# KiCad board nkc70_22.kicad_pcb (continued)
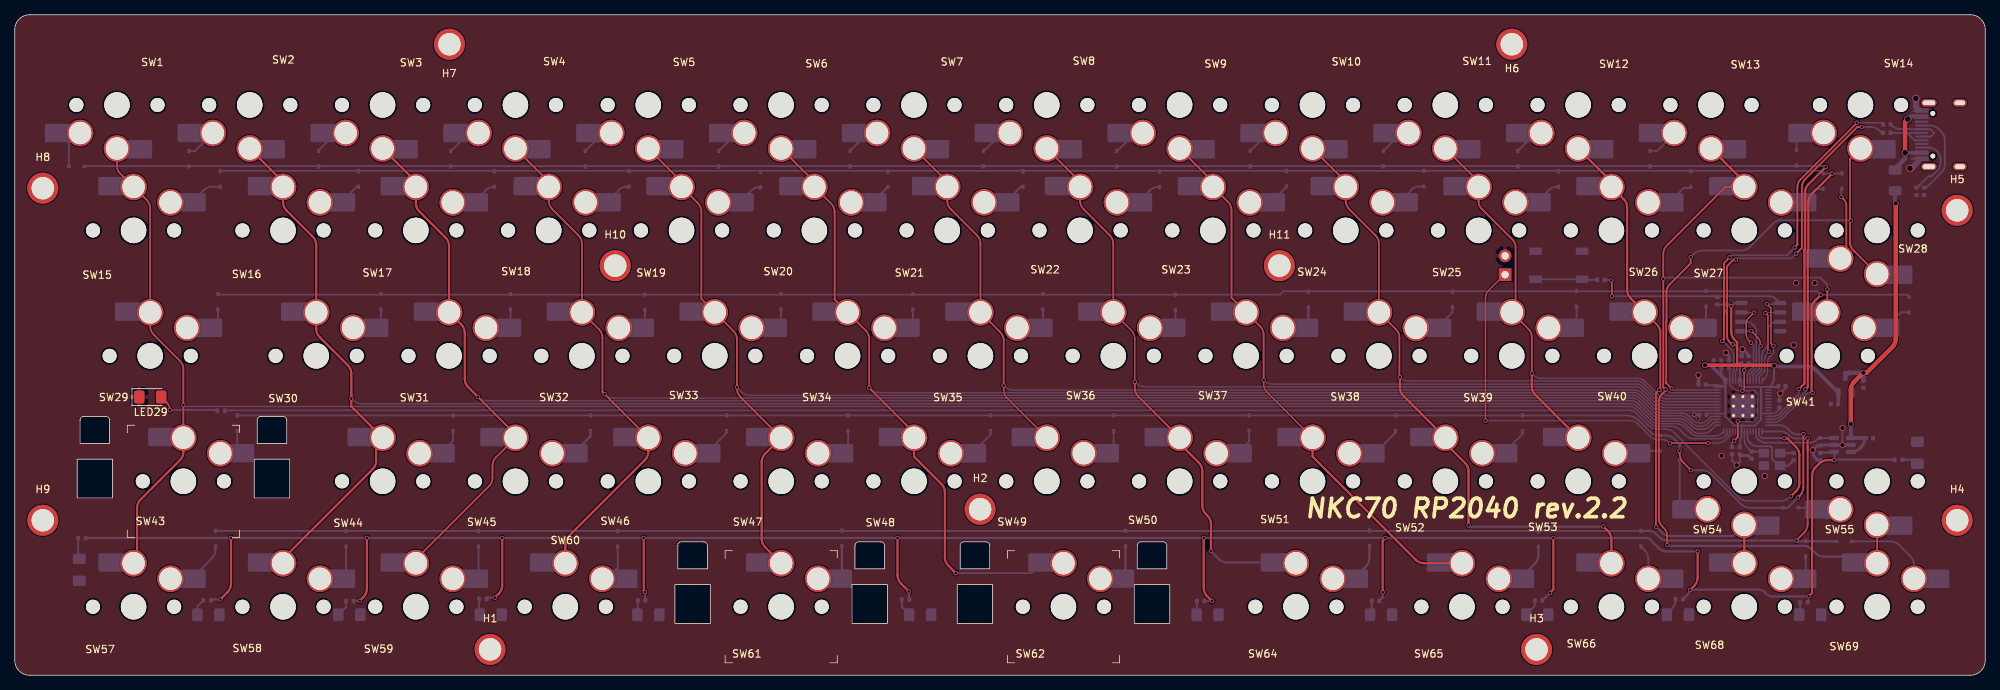
[diagram p0: board, top side]
## Nets (continued)
Net-(LED63-A): LED63.2 R63.2
Net-(LED64-A): LED64.2 R64.2
Net-(LED66-A): LED66.2 R66.2
Net-(LED67-A): LED67.2 R67.2
Net-(LED68-A): LED68.2 R68.2
Net-(LED69-A): LED69.2 R69.2

Pads without a net: H1 1; H2 1; H3 1; H4 1; H5 1; H6 1; H7 1; H8 1; H9 1; H10 1; H11 1; J2 A8 B8 S1; U1 2 3 4 5 6 7 8 9 19 24 25

## Via types
v1: diameter 1, hole 0.8, Top to Bottom, 4 vias
v2: diameter 0.8, hole 0.6, Top to Bottom, 18 vias
v3: diameter 0.6, hole 0.4, Top to Bottom, 87 vias
v4: diameter 0.5, hole 0.4, Top to Bottom, 1 via

## Routing (per net, layer and track width the routed paths; a pad name or vN(x,y) marks a point on that pad's centre or on a via; arc(x,y) is an arc through that point)
+1V1: length 23.2
  Top w0.2: v3(234.34,41.31) 234.34,38.8 v3(234.09,38.55)
  Top w0.25: v3(233.47,34.4) 233.47,32.26 v3(232.98,31.77)
  Bottom w0.2: C1.1 232.37,41.59 U1.45 232.37,39.32 232.61,39.08 arc(233.2,38.69) 233.89,38.55 ; 234.94,42.19 234.94,42.09 ; 235.61,34.36 236.16,34.91 236.16,38.12 235.73,38.55 v3(234.09,38.55) ; 233.51,34.36 235.56,34.36 ; 232.67,30.94 C3.1 ; U1.23 233.57,32.36 v3(232.98,31.77)
  Bottom w0.25: v3(233.47,34.4) 233.51,34.36 ; 234.94,42.09 234.34,41.49 ; 234.37,41.49 234.37,39.94
  Bottom w0.3: 232.67,30.94 232.67,31.46 v3(232.98,31.77)
+3V3: length 77
  Top w0.3: 233.42,42.01 233.39,42.04 233.39,45.12 233.05,45.46 arc(232.7,45.98) 232.58,46.59 232.58,50.01 v3(232.6,50.02)
  Top w0.5: 238.26,42.01 v2(229.03,42.01)
  Bottom w0.2: C8.1 229.41,35.47 U1.33 231.75,35.47 231.8,35.52 ; C10.1 239.13,36.07 239,35.94 arc(238.48,35.59) 237.87,35.47 U1.10 236.69,35.47 ; 233.88,39.17 233.57,39.48 U1.48 U1.49 233.97,39.25 233.88,39.17 ; 233.88,39.17 233.95,39.1 234.59,39.1
  Bottom w0.25: 233.96,50.43 U2.8 ; 231.8,35.52 231.8,35.07 233.05,33.83 233.95,33.83 ; 237.6,39.08 234.66,39.08 ; 233.95,33.83 233.97,33.81 U1.22 233.97,32.23 233.8,32.06 233.8,30.94 C9.1 ; 233.95,33.83 235.78,33.83 236.62,34.67 236.62,35.4 236.69,35.47 ; R1.1 231.7,50.23 C12.1 ; C6.1 229.23,39.29 ; C7.1 233.76,42.1 233.76,40 233.77,39.99 ; 231.23,40.68 231.19,40.64
  Bottom w0.3: 229.23,39.29 230.78,39.29 230.91,39.16 ; U1.1 238.72,39.07 238.96,39.31 ; C2.1 231.23,40.68 ; v2(238.38,41.95) 238.38,40.31 arc(238.25,39.7) 237.91,39.18 237.8,39.07 ; 231.8,35.52 231.8,39.68 U1.43 ; C12.1 232.37,50.25 v3(232.6,50.02) 233,50.43 233.96,50.43 ; 236.62,35.4 236.62,39.01
  Bottom w0.4: 231.77,39.16 230.39,39.16
  Bottom w0.5: v2(238.38,41.95) 238.5,41.83 242.9,41.83 arc(243.51,41.71) 244.03,41.36 U3.2 247.1,36.82 C16.1 ; v2(229.03,42.01) 229.81,42.01 231.8,40.02
/+5V: length 44.9
  Top w0.6: v2(254.87,63.95) 254.87,45.59 arc(254.75,44.98) 254.4,44.46 250.94,41 v2(250.48,41) 249.26,39.78 arc(248.91,39.26) 248.79,38.64 v2(248.79,34.05)
  Bottom w0.4: U4.6 248.85,30.25 arc(249.46,30.38) 249.98,30.72 250.2,30.95 arc(250.55,31.46) 250.67,32.08 250.67,32.13
  Bottom w0.5: v2(248.79,34.05) U4.4 250.65,32.15 250.67,32.13
  Bottom w0.6: U3.3 248.48,41 v2(250.48,41) 250.48,39.94 C15.1 ; 254.35,65.68 254.77,65.26 254.77,64.05 v2(254.87,63.95)
/VBUS: length 12.1
  Top w0.6: v1(256.51,75.36) 256.13,74.98 256.13,70.81 v1(256.14,70.79)
  Bottom w0.5: v1(256.14,70.79) J2.A9 ; 254.55,68.68 254.35,68.48
  Bottom w0.6: v1(256.14,70.79) 256.14,70.01 254.81,68.68 254.55,68.68 ; v1(256.51,75.36) 256.87,75.72 258.22,75.72
GND: length 31
  Bottom w0.25: 232.69,29.7 232.69,29.09 v2(233.32,28.46) 233.75,28.89 C9.2 ; 239.23,30.1 Y1.4 ; 232.28,42.66 C1.2 ; v2(239.24,38.19) 239.13,38.08 ; 234,43.29 C7.2 ; 257.04,70 257.05,69.99 J2.A12 ; v2(247.65,31.18) 247.65,33.49 v2(247.66,33.5) ; 239.63,29.87 239.22,29.87 ; 257.26,76.45 258.36,76.45 J2.A1 ; v3(227.59,35.32) 228.24,35.32 C8.2 228.27,34.99 v4(228.06,34.78)
  Bottom w0.3: 239.13,38.08 C10.2 ; 244.62,31.13 244.69,31.2 ; v2(239.24,38.19) 239.93,38.88 239.93,39.13 ; C13.2 239.23,30.1
  Bottom w0.4: 234.3,44.19 235.01,43.22 ; v2(231.86,43.71) 232.28,43.29 232.28,42.66 ; C14.2 235.3,29.35 234.88,29.77 233.91,29.77 C9.2 ; 244.69,31.2 U4.5 ; C18.2 244.26,29.15 244.09,29.32 arc(243.74,29.84) 243.62,30.45 v2(243.62,30.5) 244.23,31.11 R9.1
  Bottom w0.5: v2(228.15,40.68) C6.2
  Bottom w0.6: 234,43.29 234,44.08 v2(234.09,44.17)
  Bottom w0.8: v1(256.8,68.68) 256.99,68.68 257.97,69.66 ; v1(257.6,78.17) 257.6,77 258,76.6
  vias: v2(231.27,29.75) v2(237.12,27) v2(241.06,44.73) v2(241.38,53.17) v2(243.9,53.14)
/BGLED: length 350.7
  Top w0.3: v3(119.61,18.6) 119.61,13.56 arc(119.73,12.95) 120.08,12.43 v3(121.16,11.35) ; 65.03,10.5 v3(65.05,10.53) 65.58,11.05 arc(65.93,11.57) 66.05,12.18 v3(66.05,18.6) ; v3(29.3,18.6) 29.3,12.4 arc(29.18,11.79) 28.83,11.27 v3(27.83,10.27) 27.72,10.16 ; v3(46.74,10.09) 47.24,10.59 arc(47.59,11.11) 47.71,11.72 v3(47.71,18.6) ; v3(208.48,18.6) 208.48,11.63 v3(208.02,11.17) ; v3(185.73,18.6) 185.35,18.22 v3(185.35,11.24) ; v3(227.01,11.55) 227.56,12.1 arc(227.91,12.62) 228.03,13.23 v3(228.03,16.78) 227.96,16.85 ; v3(85.21,18.6) 85.23,18.58 85.23,11.44 v3(85.4,11.27) ; v3(162.21,10.07) 161.57,10.71 arc(161.22,11.23) 161.1,11.85 v3(161.1,18.6) ; v3(246.55,29.15) 245.64,29.15 arc(245.03,29.03) 244.51,28.68 244.01,28.18 arc(243.66,27.66) 243.54,27.05 243.54,11.17 v3(243.06,10.69)
  Bottom w0.25: 244.72,30.18 C18.1 ; 246.44,30.18 U4.1
  Bottom w0.3: v3(246.55,29.15) 246.63,29.23 254.7,29.23 R69.1 ; v3(246.55,29.15) 246.58,29.18 246.58,30.19 U4.1 ; v3(246.55,29.15) 246.58,29.12 ; v3(65.05,10.53) 64.11,10.53 R59.2 ; R64.1 185.35,10.54 v3(185.35,11.24) ; R60.2 85.4,10.19 v3(85.4,11.27) ; R66.1 208.02,11.16 v3(208.02,11.17) ; R58.2 45.94,10.09 v3(46.74,10.09) ; R57.2 26.71,10.27 v3(27.83,10.27) ; R67.1 227.01,11.27 v3(227.01,11.55) ; 9.67,18.6 v3(29.3,18.6) v3(47.71,18.6) v3(66.05,18.6) v3(85.21,18.6) v3(119.61,18.6) v3(161.1,18.6) v3(185.73,18.6) v3(208.48,18.6) 221.33,18.6 ; v3(121.16,11.35) 121.16,10.31 R61.2 ; v3(227.01,11.55) 227.13,11.43 ; v3(227.01,11.55) 227.06,11.6 236.25,11.6 arc(236.71,11.51) 237.1,11.25 237.32,11.03 arc(237.71,10.77) 238.17,10.68 243.05,10.68 v3(243.06,10.69) 243.06,10.02 R68.1 ; 221.37,18.6 222.81,17.16 arc(223.3,16.88) 223.85,16.78 v3(228.03,16.78) ; 246.44,30.18 244.72,30.18 ; v3(162.21,10.07) 161.22,10.07
/BGLED_C: length 11.8
  Bottom w0.2: U1.17 235.97,32.22 235.99,32.2
  Bottom w0.25: U4.3 244.44,32.15 244.27,31.98 arc(243.75,31.63) 243.14,31.51 237.2,31.51 arc(236.74,31.6) 236.35,31.86 235.99,32.22
/BSEL: length 8.4
  Bottom w0.25: R2.2 212.46,53.57 SW200.2 SW200.2
/C01: length 275.2
  Top w0.2: 16.58,15.66 SW57.1
  Top w0.25: 13.02,70.55 SW1.1 13.85,69.01 arc(13.96,68.47) 14.26,68.02 SW15.1 17.88,64.4 arc(18.23,63.88) 18.35,63.26 SW29.1 18.35,47.29 arc(18.47,46.68) 18.82,46.16 22.38,42.6 arc(22.73,42.08) 22.85,41.47 22.85,32.18
  Top w0.3: 16.58,15.66 16.58,22.69 arc(16.7,23.3) 17.05,23.82 22.38,29.15 arc(22.73,29.67) 22.85,30.28 22.85,32.18
  Bottom w0.2: v3(22.85,36.59) 23.02,36.42 218.86,36.42 ; 229.42,32.06 227.48,32.06 arc(226.87,32.18) 226.35,32.53 225.62,33.26 arc(225.1,33.61) 224.49,33.73 222.6,33.73 arc(222.07,33.84) 221.62,34.14 219.75,36.01 arc(219.29,36.31) 218.76,36.42 ; U1.27 231.97,32.55 231.94,32.53 arc(231.42,32.18) 230.81,32.06 229.27,32.06 ; 22.85,32.18 22.85,32.26
/C02: length 259.5
  Top w0.2: v3(45.61,37.49) 45.61,38.09
  Top w0.3: v3(45.61,37.49) 45.6,37.49 45.6,40.99 arc(45.46,41.54) 45.13,42 41.32,45.82 arc(40.97,46.34) 40.85,46.95 40.85,58.29 arc(40.73,58.9) 40.38,59.42 36.82,62.98 arc(36.47,63.5) 36.35,64.11 SW16.1 36.35,66.87 SW2.1 ; SW58.1 36.35,15.79 48.5,27.94 arc(48.85,28.46) 48.97,29.07 48.97,31.3 49.85,32.18 45.61,36.42 45.61,38.09
  Bottom w0.2: U1.28 231.42,32.88 arc(230.9,32.53) 230.28,32.41 228.18,32.41 arc(227.57,32.53) 227.05,32.88 226.31,33.61 arc(225.79,33.96) 225.18,34.08 222.75,34.08 arc(222.21,34.19) 221.76,34.49 219.87,36.38 arc(219.42,36.68) 218.88,36.79 47.01,36.79 arc(46.4,36.91) 45.88,37.26 45.65,37.49 v3(45.61,37.49)
  Bottom w0.25: 32.05,65.95 32.18,65.82
  Bottom w0.3: SW58.1 37.29,16.12
/C03: length 240.7
  Top w0.25: v3(62.77,37.72) 67.85,32.64 SW45.1 65.2,29.53 arc(64.85,29.01) 64.73,28.39 64.73,26.75 arc(64.61,26.14) 64.26,25.62 54.35,15.71 SW59.1
  Top w0.3: SW3.1 54.35,66.87 SW17.1 54.35,63.98 arc(54.47,63.37) 54.82,62.85 58.38,59.29 arc(58.73,58.77) 58.85,58.16 SW31.1 60.51,47.52 arc(60.85,47) 60.97,46.39 60.97,40.17 arc(61.07,39.62) 61.36,39.13 62.77,37.72 v3(62.77,37.72)
  Bottom w0.2: U1.29 230.5,33.87 229.86,33.23 arc(229.34,32.88) 228.73,32.76 228.32,32.76 arc(227.71,32.88) 227.19,33.23 226.46,33.96 arc(225.94,34.31) 225.33,34.43 222.89,34.43 arc(222.36,34.54) 221.9,34.84 219.97,36.78 arc(219.51,37.08) 218.98,37.19 63.96,37.19 arc(63.35,37.31) 62.83,37.66 v3(62.77,37.72)
  Bottom w0.25: 54.35,15.34 SW59.1 55.47,16.3
/C04: length 222.2
  Top w0.25: SW46.1 v3(79.94,38.09) 79.63,38.4 79.63,45.74 arc(79.51,46.35) 79.16,46.87 76.85,49.18 76.85,58.47 arc(76.73,59.08) 76.38,59.6 72.82,63.17 arc(72.47,63.68) 72.35,64.3 72.35,66.87 SW4.1 67.88,71.38 68.88,70.38
  Top w0.3: SW60.1 74.6,17.72 arc(74.72,18.33) 75.07,18.85 85.38,29.16 arc(85.73,29.68) 85.85,30.29 SW46.1
  Bottom w0.2: U1.30 230.19,34.27 229.67,33.74 arc(229.21,33.44) 228.68,33.33 228.22,33.33 arc(227.68,33.44) 227.23,33.74 226.57,34.4 226.36,34.55 226.14,34.66 225.9,34.74 225.65,34.78 225.53,34.78 223.04,34.78 arc(222.5,34.89) 222.05,35.19 220.08,37.16 arc(219.63,37.46) 219.09,37.57 ; v3(79.94,38.09) 79.99,38.04 arc(80.51,37.69) 81.12,37.57 219.11,37.57
/C05: length 202
  Top w0.25: 94.85,49.88 94.85,49.18 ; 94.85,49.18 97.39,46.64 arc(97.74,46.12) 97.86,45.51 v3(97.86,39) 97.86,38.83 arc(97.98,38.22) 98.33,37.7 SW47.1 ; 94.85,49.18 93.03,51 93.03,62.83 arc(92.91,63.45) 92.56,63.97 SW19.1 90.35,66.87 SW5.1
  Top w0.3: SW61.1 101.68,17.35 arc(101.33,17.87) 101.21,18.48 101.21,29 arc(101.36,29.54) 101.68,30.01 SW47.1
  Bottom w0.2: v3(97.86,39) 98.47,38.39 arc(98.99,38.04) 99.6,37.92 219.25,37.92 arc(219.79,37.81) 220.24,37.51 222.17,35.58 arc(222.63,35.28) 223.16,35.17 225.63,35.17 arc(226.19,35.07) 226.67,34.79 227.32,34.14 arc(227.78,33.84) 228.31,33.73 228.46,33.73 arc(229,33.84) 229.45,34.14 229.98,34.67 U1.31
  Bottom w0.25: 86.09,65.95 86.18,65.86 ; 93.7,49.35 93.7,48.73
/C06: length 197.1
  Top w0.25: v3(127.5,13.84) 127.51,13.83 ; SW34.1 115.31,46.72 arc(115.65,46.2) 115.77,45.59 v3(115.77,38.95) 121.85,32.88 SW48.1 ; SW34.1 112.85,49.88 ; SW34.1 111.09,50.94 111.09,62.77 arc(110.97,63.39) 110.62,63.91 SW20.1 108.35,66.87 SW6.1
  Top w0.3: v3(127.5,13.84) 126.5,14.84 arc(126.15,15.36) 126.03,15.97 126.03,24.91 arc(125.88,25.46) 125.56,25.92 121.85,29.63 SW48.1
  Bottom w0.2: v3(115.77,38.95) 115.97,38.76 116.06,38.67 116.26,38.52 116.48,38.41 116.72,38.33 116.97,38.29 117.1,38.29 219.38,38.29 arc(219.91,38.18) 220.37,37.88 222.32,35.93 arc(222.77,35.63) 223.31,35.52 225.78,35.52 225.9,35.52 226.15,35.48 226.39,35.4 226.61,35.29 226.82,35.14 226.91,35.05 227.39,34.57 arc(227.84,34.27) 228.38,34.16 228.39,34.16 arc(228.92,34.27) 229.38,34.57 229.88,35.07 U1.32
  Bottom w0.25: SW62.1 137.81,13.84 v3(127.5,13.84)
/C07: length 144.9
  Top w0.2: v3(134,39.25) 134,38.69 arc(134.12,38.08) 134.47,37.56 139.85,32.18
  Top w0.25: SW7.1 126.35,66.87 126.35,64.3 arc(126.47,63.68) 126.82,63.17 130.38,59.6 arc(130.73,59.08) 130.85,58.47 130.85,49.18 133.53,46.5 arc(133.88,45.98) 134,45.37 v3(134,39.25)
  Top w0.3: 139.85,32.18 139.85,31.63
  Bottom w0.2: v3(134,39.25) 134.14,39.11 arc(134.66,38.76) 135.27,38.64 219.52,38.64 arc(220.06,38.53) 220.51,38.23 222.46,36.28 arc(222.92,35.98) 223.45,35.87 U1.34
/C08: length 152.4
  Top w0.2: v3(151.76,39.78) 151.76,45.61 arc(151.64,46.22) 151.29,46.74 148.85,49.18
  Top w0.25: v3(151.76,39.78) 151.76,39.78 151.76,38.81 arc(151.91,38.26) 152.23,37.8 157.85,32.18 ; SW8.1 144.35,66.87 144.35,64.3 arc(144.47,63.68) 144.82,63.17 148.38,59.6 arc(148.73,59.08) 148.85,58.47 148.85,49.18
  Top w0.3: 157.55,31.7 160.44,28.81 arc(160.79,28.29) 160.91,27.68 160.91,22.99 arc(161.03,22.38) 161.38,21.86 161.62,21.62 arc(161.97,21.1) 162.09,20.49 v3(162.09,16.81)
  Bottom w0.2: v3(151.76,39.78) 151.99,39.55 arc(152.51,39.2) 153.12,39.08 219.58,39.08 arc(220.11,38.97) 220.57,38.67 222.56,36.68 arc(223.01,36.38) 223.55,36.27 U1.35
  Bottom w0.3: v3(162.09,16.81) 163.15,15.75 arc(163.67,15.4) 164.28,15.28 SW64.1
/C09: length 138.6
  Top w0.2: SW51.1 169.69,38.34 arc(169.34,38.86) 169.22,39.47 v3(169.22,40)
  Top w0.25: SW37.1 168.75,47.28 arc(169.1,46.76) 169.22,46.14 v3(169.22,40) ; SW37.1 166.85,49.88 ; SW37.1 164.87,51.16 164.87,62.99 arc(164.75,63.61) 164.4,64.13 SW23.1 162.35,66.87 SW9.1
  Top w0.3: SW65.1 190.96,15.18 arc(190.35,15.3) 189.83,15.65 175.85,29.63 SW51.1
  Bottom w0.2: v3(169.22,40) 169.3,39.92 arc(169.82,39.57) 170.43,39.45 219.7,39.45 arc(220.24,39.34) 220.69,39.04 222.65,37.08 arc(223.11,36.78) 223.64,36.67 U1.36
/C10: length 127
  Top w0.25: SW10.1 180.35,66.87 180.35,64.3 arc(180.47,63.68) 180.82,63.17 184.38,59.6 arc(184.73,59.08) 184.85,58.47 SW38.1 187.15,46.88 arc(187.5,46.36) 187.62,45.74 187.62,40.44 v3(187.68,40.38)
  Top w0.3: 216.35,15.18 216.35,18.4 arc(216.23,19.01) 215.88,19.53 v3(215.25,20.16) ; SW52.1 188.15,37.88 arc(187.8,38.4) 187.68,39.01 v3(187.68,40.38) ; 196.99,20.28 v3(196.99,20.31) 196.99,27.62 arc(196.87,28.23) 196.52,28.75 193.63,31.64
  Bottom w0.2: v3(187.68,40.38) 187.71,40.35 arc(188.23,40) 188.84,39.88 219.77,39.88 arc(220.3,39.77) 220.76,39.47 222.75,37.48 arc(223.2,37.18) 223.74,37.07 U1.37
  Bottom w0.3: v3(215.25,20.16) 215.23,20.14 197.16,20.14 v3(196.99,20.31)
/C11: length 73.2
  Top w0.25: SW11.1 198.35,66.87 SW25.1 198.35,64.2 arc(198.46,63.66) 198.76,63.21 202.95,59.02 arc(203.25,58.57) 203.36,58.03 203.36,49.69 202.85,49.18 205.09,46.94 arc(205.44,46.42) 205.56,45.81 v3(205.56,40.9)
  Top w0.3: v3(205.56,40.9) 205.56,39.13 arc(205.68,38.52) 206.03,38 SW53.1
  Bottom w0.2: U1.38 223.83,37.47 arc(223.3,37.58) 222.84,37.88 220.9,39.82 arc(220.45,40.12) 219.91,40.23 206.89,40.23 arc(206.28,40.35) 205.76,40.7 v3(205.56,40.9)
/C12: length 83.1
  Top w0.2: 221.28,48.75 220.85,49.18
  Top w0.25: 234.35,15.88 234.35,15.18 ; v3(222.4,20.12) 222.37,20.15 222.37,38.23 v3(222.82,38.68) 222.98,38.84 222.98,46.72 222.91,46.79 222.83,47.03 222.72,47.26 222.57,47.46 222.48,47.55 221.28,48.75
  Top w0.3: 220.85,49.18 218.94,51.09 arc(218.6,51.61) 218.48,52.22 218.48,63.39 arc(218.35,64) 218.01,64.52 SW26.1 216.35,66.87 SW12.1 ; SW54.1 234.35,15.18
  Bottom w0.2: U1.39 224.21,37.87 arc(223.67,37.98) 223.22,38.28 v3(222.82,38.68)
  Bottom w0.3: SW54.1 232.84,18.87 224.31,18.87 arc(223.7,18.99) 223.18,19.34 v3(222.4,20.12) 222.46,20.06
/C13: length 129.1
  Top w0.25: SW55.1 252.35,15.18 ; v3(245.6,52.27) 245.6,49.18 ; v3(223.91,17.65) 223.91,18.84 arc(223.79,19.45) 223.44,19.97 223.24,20.17 arc(222.9,20.69) 222.78,21.3 222.78,36.99 arc(222.87,37.54) 223.16,38.03 223.69,38.57 v3(223.69,38.72) 223.38,39.04 v3(223.38,53.71) 223.38,57.08 arc(223.5,57.7) 223.84,58.22 231.8,66.18 SW27.1 234.35,66.87
  Top w0.3: SW13.1 234.35,66.87
  Bottom w0.2: 230.68,38.27 224.72,38.27 arc(224.18,38.38) 223.73,38.68 v3(223.69,38.72)
  Bottom w0.25: v3(223.38,53.71) 223.55,53.88 244.64,53.88 245.6,52.92 v3(245.6,52.27) ; 248.88,15.36 248.74,15.36
  Bottom w0.3: 247.56,16.07 245.13,16.07 arc(244.52,16.19) 244,16.54 243.48,17.06 arc(242.96,17.41) 242.35,17.53 224.03,17.53 v3(223.91,17.65) ; 249.06,15.96 249.3,15.72 249.3,15.58 249.7,15.18 252.35,15.18
/C14: length 68.4
  Top w0.25: v3(227.09,56.64) 227.09,55.85 226.8,55.55 226.8,55.51 224.28,53 224.19,52.91 224.04,52.7 223.93,52.48 223.85,52.24 223.81,51.99 223.81,51.87 223.81,47.97 223.78,47.94 223.78,39.59 v3(224.5,38.86) ; SW28.1 249.14,57.59 249.05,57.68 248.9,57.88 248.79,58.11 248.71,58.34 248.67,58.59 248.67,61.48 v3(248.79,61.6) 248.67,61.72 248.67,69.95 SW14.1
  Bottom w0.2: v3(224.5,38.86) 224.7,38.66 230.7,38.66
  Bottom w0.25: v3(248.79,61.6) 248.74,61.65 239.36,61.65 arc(238.74,61.53) 238.22,61.18 235.07,58.03 arc(234.55,57.68) 233.94,57.56 228.67,57.56 arc(228.06,57.44) 227.54,57.09 v3(227.09,56.64) ; 253.64,71.73 253.63,71.74
/CAPS_LED: length 230.7
  Top w0.3: v3(239.78,32.13) 240.18,32.13 241.35,30.96 arc(241.7,30.44) 241.82,29.83 241.82,26.05 arc(241.72,25.5) 241.44,25.01 240.67,24.24 v3(240.67,24.24)
  Bottom w0.2: 28.55,35.72 28.49,35.79 ; 236.37,32.48 U1.16 ; R29.2 28.54,35.9 218.72,35.9 218.84,35.9 219.08,35.86 219.31,35.78 219.53,35.67 221.25,33.95 arc(221.9,33.52) 222.67,33.37 223.54,33.37 arc(224.3,33.21) 224.95,32.78 226.1,31.64 226.1,31.6 233.49,24.21 233.58,24.11 233.79,23.96 234.01,23.82 234.26,23.72 234.51,23.66 234.77,23.62 234.9,23.62 239.22,23.62 239.35,23.62 239.61,23.66 239.87,23.72 240.11,23.82 240.33,23.96 240.54,24.11 240.64,24.21 v3(240.67,24.24)
  Bottom w0.25: 236.37,32.48 236.72,32.13 v3(239.78,32.13)
/DM: length 51.2
  Top w0.25: v3(241.19,57.97) 241.54,58.32 241.54,66.11 arc(241.66,66.72) 242.01,67.24 249.61,74.84 v3(249.61,74.87) ; v3(231.37,45.28) 231.6,45.51 231.6,55.86 v3(232.36,56.62)
  Bottom w0.2: v3(231.37,45.28) 231.45,45.28 232.56,44.18 arc(232.84,43.69) 232.94,43.14 232.94,41.46 232.77,41.29 U1.46 ; R6.1 252.94,74.87 v3(249.61,74.87)
  Bottom w0.25: 232.33,56.59 232.65,56.91 240.13,56.91 v3(241.19,57.97)
/DP: length 50.6
  Top w0.25: v3(233.2,56.32) 232.91,56.32 232.02,55.43 232.02,45.97 arc(232.11,45.51) 232.37,45.12 232.65,44.84 ; v3(250.26,74.29) 249.67,74.29 242.63,67.25 arc(242.28,66.73) 242.16,66.12 242.16,57.92 v3(241.39,57.15) 241.3,57.06
  Bottom w0.2: v3(232.79,44.84) 233.04,44.84 233.14,44.74 arc(233.28,44.37) 233.33,43.97 233.33,41.36 233.16,41.19 233.16,39.84
  Bottom w0.25: R7.1 252.96,73.52 252.66,73.82 arc(252.14,74.17) 251.53,74.29 v3(250.26,74.29) ; v3(241.39,57.15) 240.73,56.49 233.38,56.49 v3(233.2,56.32)
/QSPI_SCLK: length 9.9
  Bottom w0.2: U2.6 234.64,47.9 arc(235.1,47.8) 235.49,47.54 235.63,47.4 arc(235.89,47.01) 235.98,46.55 235.98,41.68 235.16,40.86 235.16,39.75
/QSPI_SD0: length 8.9
  Top w0.2: v3(235.3,46.64) 236.19,45.75 arc(236.45,45.36) 236.54,44.9 v3(236.54,44.6)
  Bottom w0.2: U2.5 233.98,46.64 v3(235.3,46.64) ; U1.53 235.57,40.63 235.57,40.64 235.57,40.77 236.35,41.55 236.35,44.41 v3(236.54,44.6)
/QSPI_SD1: length 11.8
  Top w0.2: v3(237.22,49.09) 237.55,48.76 237.55,43.96 v3(237.68,43.84)
  Bottom w0.2: 236.37,40 236.37,40.48 237.08,41.2 237.08,42.66 arc(237.19,43.2) 237.49,43.65 v3(237.68,43.84) ; U2.2 237.3,49.17 v3(237.22,49.09)
/QSPI_SD2: length 9.9
  Bottom w0.2: 236.7,41.48 236.66,41.33 236.58,41.19 236.52,41.13 235.97,40.58 235.97,39.7 ; U2.3 238.35,47.9 237.85,47.4 arc(237.59,47.01) 237.5,46.55 237.5,44.97 arc(237.41,44.51) 237.15,44.12 237.05,44.02 arc(236.79,43.63) 236.7,43.17 236.7,41.5
/QSPI_SD3: length 12.1
  Top w0.2: v3(235.26,45.06) 234.96,45.36 arc(234.7,45.75) 234.61,46.21 234.61,47.59 arc(234.7,48.05) 234.96,48.44 235.66,49.14 v3(235.68,49.14)
  Bottom w0.2: U1.51 234.77,40.96 235.6,41.79 235.6,44.72 v3(235.26,45.06) ; U2.7 233.99,49.14 v3(235.68,49.14)
/QSPI_SS: length 39.4
  Top w0.2: v3(237.42,50.3) 237.97,49.75 237.97,44.96 v3(238.3,44.63)
  Top w0.25: v3(216.41,51.36) 216.41,53.42 v3(216.32,53.5)
  Bottom w0.2: 236.77,39.82 237.02,40.07 arc(237.37,40.59) 237.49,41.2 237.49,42.29 arc(237.59,42.83) 237.9,43.28 238.3,43.68 v3(238.3,44.63) ; v3(237.42,50.3) 239.08,50.3 U2.1
  Bottom w0.25: U2.1 238.64,51.01 arc(238.25,51.27) 237.79,51.36 v3(216.41,51.36) ; R2.1 216.25,53.57 v3(216.32,53.5)
/R01: length 273.2
  Top w0.3: v3(245.38,68.86) 243.05,66.53 arc(242.71,66.01) 242.59,65.4 242.59,57.74 242.5,57.66 242.5,39.54 v3(241.74,38.78)
  Bottom w0.2: 237.64,35.08 238.14,35.08 arc(238.75,35.2) 239.27,35.55 241.45,37.73 arc(241.71,38.12) 241.8,38.58
  Bottom w0.25: 9.43,69 245.38,69
/R02: length 257.7
  Top w0.3: v3(242.63,38.74) 242.95,39.07 242.95,57.48 243.04,57.56 243.04,64.08 arc(243.16,64.69) 243.5,65.21 v3(246.27,67.98)
  Bottom w0.2: U1.12 238.22,34.67 arc(238.84,34.79) 239.36,35.14 242.63,38.41 v3(242.63,38.74) ; 242.57,38.74 242.53,38.69
  Bottom w0.25: 27.84,68.3 D15.1 ; 27.84,68.35 244.68,68.35 D27.1 245.05,67.98 v3(246.27,67.98) ; D28.1 247.55,67.98 v3(246.27,67.98) ; 246.34,67.91 v3(246.27,67.98)
  Bottom w0.3: v3(246.27,67.98) 246.2,68.05
/R03: length 251.1
  Top w0.3: 244.72,51.54 v3(244.72,51.55) 243.94,50.77 arc(243.6,50.25) 243.48,49.64 243.48,38.38 v3(243.6,38.25)
  Bottom w0.2: v3(243.6,38.25) 242.96,38.25 239.45,34.74 arc(238.93,34.39) 238.32,34.27 U1.13
  Bottom w0.25: D29.1 27.61,51.57 171.44,51.57 171.9,52.04 244.24,52.04 v3(244.72,51.55) 244.74,51.57 256.38,51.57 D41.1
/R04: length 231.9
  Top w0.25: v3(225.57,30.42) 225.57,30.17 arc(225.72,29.4) 226.16,28.75 v3(227.12,27.79) ; v3(242.36,32.67) 242.36,25.47 arc(242.23,24.86) 241.89,24.34 v3(241.62,24.07)
  Bottom w0.25: D54.1 225.57,31.21 v3(225.57,30.42) ; v3(242.36,32.67) 242.32,32.64 241.49,32.64 arc(241.03,32.73) 240.64,32.99 240.11,33.52 arc(239.72,33.78) 239.26,33.87 U1.14 ; 225.55,31.32 224.85,32.02 arc(224.33,32.37) 223.72,32.49 D53.1 222.76,32.49 arc(222.15,32.61) 221.63,32.96 220.12,34.47 arc(219.3,35.02) 218.35,35.21 D43.1 ; v3(241.62,24.07) 240.24,22.69 D55.1 235.09,22.69 arc(234.48,22.81) 233.96,23.16 229.81,27.31 arc(229.29,27.66) 228.68,27.78 227.13,27.78 v3(227.12,27.79)
/R05: length 242.1
  Top w0.25: v3(242.93,32.1) 242.93,32.09 242.93,30.44 ; 242.93,31.07 242.93,20.45 arc(242.81,19.84) 242.46,19.32 v3(241.39,18.25)
  Bottom w0.25: 84.1,19.56 220.34,19.56 ; v3(242.93,32.1) 241.29,32.1 arc(240.83,32.19) 240.44,32.45 240.21,32.68 arc(239.82,32.94) 239.36,33.03 U1.15 ; 27.3,19.56 84.77,19.56
  Bottom w0.3: D69.1 241.5,18.14 v3(241.39,18.25) 223.96,18.25 arc(223.35,18.37) 222.83,18.72 222.46,19.09 arc(221.94,19.44) 221.33,19.56 221.32,19.55 D66.1
/XIN: length 10.4
  Bottom w0.25: U1.20 234.77,32.34 arc(234.86,31.88) 235.12,31.49 235.23,31.38 arc(235.62,31.12) 236.08,31.03 237.9,31.03 238.12,30.81 238.12,29.27 239.43,27.96
  Bottom w0.3: Y1.1 240.31,28.41 C13.1
/XOUT: length 4.8
  Bottom w0.2: U1.21 234.37,31.79 arc(234.46,31.33) 234.72,30.94 C14.1
  Bottom w0.25: 237.17,30.29 237.3,30.16
  Bottom w0.3: 235.63,30.29 237.17,30.29
Net-(D1-A): length 5.4
  Bottom w0.25: 7.33,68.86 7.33,72.15 SW1.2 ; 8.84,73.48 8.84,73.27
Net-(D2-A): length 4.2
  Bottom w0.25: 26.77,73.4 24.42,71.05 D2.2
Net-(D3-A): length 4.6
  Bottom w0.25: 41.18,71.15 43.46,73.43 44.88,73.43
Net-(D4-A): length 4.8
  Bottom w0.25: 59.06,70.97 61.46,73.37 62.85,73.37
Net-(D5-A): length 4.4
  Bottom w0.25: D5.2 79.63,73.38 80.76,73.38
Net-(D6-A): length 4.4
  Bottom w0.25: D6.2 97.71,73.36 98.8,73.36
Net-(D7-A): length 4.6
  Bottom w0.25: 116.84,73.23 115.36,73.23 D7.2
Net-(D8-A): length 4.5
  Bottom w0.25: 131.26,70.98 133.54,73.26 134.84,73.26
Net-(D9-A): length 4.5
  Bottom w0.25: 152.82,73.3 151.66,73.3 149.3,70.94
Net-(D10-A): length 4.4
  Bottom w0.25: 167.41,71.04 169.67,73.3 170.89,73.3
Net-(D11-A): length 4.4
  Bottom w0.25: 188.85,73.35 187.75,73.35 D11.2
Net-(D12-A): length 4.2
  Bottom w0.25: 206.85,73.43 206.06,73.43 203.66,71.03
Net-(D13-A): length 4.2
  Bottom w0.25: D13.2 222.56,71.05 224.87,73.36
Net-(D14-A): length 2.5
  Bottom w0.25: 241.6,73.48 241.42,73.3 241.42,71.05
Net-(D15-A): length 4.7
  Bottom w0.25: D15.2 26.65,66.2 arc(26.12,66.09) 25.66,65.79 SW15.2
Net-(D16-A): length 3.2
  Bottom w0.25: SW16.2 46.32,66.2 D16.2
Net-(D17-A): length 3.6
  Bottom w0.25: SW17.2 63.9,65.78 arc(64.36,66.08) 64.89,66.19 D17.2
Net-(D18-A): length 3.9
  Bottom w0.25: D18.2 82.91,66.21 arc(82.37,66.1) 81.92,65.8 SW18.2
Net-(D19-A): length 3.7
  Bottom w0.25: D19.2 100.81,66.11 arc(100.28,66) 99.82,65.7 SW19.2
Net-(D20-A): length 3
  Bottom w0.25: SW20.2 118.29,66.17 D20.2
Net-(D21-A): length 3.3
  Bottom w0.25: D21.2 136.31,66.19 SW21.2
Net-(D22-A): length 3.7
  Bottom w0.25: SW22.2 153.86,65.74 arc(154.31,66.04) 154.85,66.15 D22.2
Net-(D23-A): length 3
  Bottom w0.25: SW23.2 172.31,66.19 D23.2
Net-(D24-A): length 3.9
  Bottom w0.25: SW24.2 188.2,64.73 189.29,65.82 arc(189.74,66.12) 190.28,66.23 D24.2
Net-(D25-A): length 3.8
  Bottom w0.25: SW25.2 207.89,65.77 arc(208.35,66.07) 208.88,66.18 D25.2
Net-(D26-A): length 3.7
  Bottom w0.25: 227.11,66.03 226.15,66.03 SW26.2
Net-(D27-A): length 3.6
  Bottom w0.25: SW27.2 244.03,65.91 D27.2
Net-(D28-A): length 10
  Top w0.25: v3(247.51,64.8) 247.82,64.49 arc(248.08,64.1) 248.18,63.64 248.18,57.3 SW28.2
  Bottom w0.25: D28.2 247.51,65.84 v3(247.51,64.8)
Net-(D29-A): length 4.6
  Bottom w0.25: D29.2 27.52,48.08 26.52,47.08 SW29.2
  Bottom w0.3: 26.49,47.86 25.35,47.86 25.2,48.01
Net-(D30-A): length 2.8
  Bottom w0.25: SW30.2 49.61,47.99 D30.2
Net-(D31-A): length 2.7
  Bottom w0.25: D31.2 67.19,47.57 SW31.2
Net-(D32-A): length 2.7
  Bottom w0.25: SW32.2 85.37,47.75 D32.2
Net-(D33-A): length 2.9
  Bottom w0.25: SW33.2 103.82,48.2 D33.2
Net-(D34-A): length 2.9
  Bottom w0.25: SW34.2 121.69,48.07 D34.2
Net-(D35-A): length 2.7
  Bottom w0.25: D35.2 139.31,47.69 SW35.2
Net-(D36-A): length 2.7
  Bottom w0.25: SW36.2 157.28,47.66 157.28,49.57
Net-(D37-A): length 3
  Bottom w0.25: 175.29,47.67 SW37.2
  Bottom w0.3: D37.2 175.29,47.67
Net-(D38-A): length 3.7
  Bottom w0.25: D38.2 194.81,49.19 SW38.2
Net-(D39-A): length 3.2
  Bottom w0.25: D39.2 211.62,48 SW39.2
Net-(D40-A): length 3.3
  Bottom w0.25: SW40.2 229.16,47.54 D40.2 ; 225.77,47 SW40.2
  Bottom w0.3: 228.81,47.19 SW40.2
Net-(D41-A): length 5
  Bottom w0.25: 256.59,49.1 D41.2 255.55,49.18 SW41.2 ; 250.6,47.83 SW41.2
Net-(D43-A): length 3.2
  Bottom w0.25: D43.2 30.15,30.55 SW43.2
Net-(D44-A): length 3.5
  Bottom w0.25: 59.39,32.92 59.39,31.77 SW44.2
Net-(D45-A): length 3.8
  Bottom w0.3: SW45.2 78,32.38 78,32.96
Net-(D46-A): length 3.9
  Bottom w0.25: 96.45,32.83 SW46.2
Net-(D47-A): length 3.2
  Bottom w0.25: SW47.2 112.92,31.3 112.92,32.73
Net-(D48-A): length 3.9
  Bottom w0.25: 132.21,32.9 132.21,32.59 SW48.2
Net-(D49-A): length 3.3
  Bottom w0.25: SW49.2 148.9,31.28 148.9,32.87
Net-(D50-A): length 3.5
  Bottom w0.25: SW50.2 167.25,31.63 167.25,32.9
Net-(D51-A): length 4.5
  Bottom w0.25: 187.09,32.87 184.3,30.08 SW51.2
Net-(D52-A): length 4
  Bottom w0.25: 204.3,32.99 204.3,32.68 SW52.2
Net-(D53-A): length 3.3
  Bottom w0.25: D53.2 220.01,30.39 SW53.2
Net-(D54-A): length 5.9
  Bottom w0.25: D54.2 225.6,29.14 225.6,23.51 225.74,23.37
Net-(D55-A): length 6
  Bottom w0.25: D55.2 244.29,22.69 244.5,22.48 243.99,21.97
  Bottom w0.3: 247.35,22.48 246.59,21.72 arc(246.07,21.37) 245.46,21.25
Net-(D57-A): length 5.8
  Bottom w0.25: D57.2 27.2,16.99 arc(27.08,16.38) 26.73,15.86 SW57.2 ; 27.2,17.29 27.3,17.39
Net-(D58-A): length 5.6
  Bottom w0.25: SW58.2 44.88,13.76 D58.2
  Bottom w0.3: 40.7,13.73 SW58.2
Net-(D59-A): length 6
  Bottom w0.25: D59.2 62.84,13.72 SW59.2 ; SW59.2 58.38,14.05
Net-(D60-A): length 5
  Bottom w0.25: D60.2 81.7,14.58 80.2,13.08
Net-(D61-A): length 4.6
  Bottom w0.25: 112.08,13.56 SW61.2
  Bottom w0.3: D61.2 112.08,13.56
Net-(D62-A): length 4.6
  Bottom w0.25: 150.5,13.73 SW62.2
  Bottom w0.3: D62.2 150.5,13.73
Net-(D64-A): length 5.2
  Bottom w0.3: SW64.2 183.08,14.71 arc(183.43,15.23) 183.55,15.84 D64.2
Net-(D65-A): length 5.3
  Bottom w0.3: D65.2 206.45,16.24 arc(206.33,15.63) 205.98,15.11 SW65.2
Net-(D66-A): length 4.7
  Bottom w0.25: D66.2 220.88,16.91 arc(221.23,16.39) 221.35,15.78 221.35,13.08
Net-(D68-A): length 6.3
  Bottom w0.25: D68.2 242.67,13.55 242.2,13.08 241.06,14.22 ; 239.35,14.5 239.35,13.08
Net-(D69-A): length 11.9
  Bottom w0.25: D69.2 254.17,18.14 arc(254.78,18.02) 255.3,17.67 256.88,16.09 arc(257.23,15.57) 257.35,14.96 257.35,13.08
Net-(J1-Pin_1): length 56.2
  Top w0.2: v3(199.28,34.5) 199.28,51.14 arc(199.39,51.67) 199.69,52.13 202.02,54.46 ; v3(229.48,31.46) 224.33,31.46 v3(224.28,31.41)
  Bottom w0.2: v3(229.48,31.46) 230.71,31.46 arc(231.32,31.58) 231.84,31.93 232.37,32.46 U1.26 ; v3(199.28,34.5) 218.9,34.5 arc(219.43,34.39) 219.89,34.09 221.63,32.35 arc(222.08,32.05) 222.62,31.94 223.17,31.94 arc(223.65,31.85) 224.08,31.61 224.28,31.41 v3(224.28,31.41)
